# Altium PCB DM1098FFC.PcbDoc (part 2 of 3)
Units mm, origin at the board's own origin, x right, y up, seen from the top; angles counter-clockwise.
Board outline 60 x 40 mm, 4 copper layers (Top Copper, Signal Layer 1, Layer 1, Bottom Layer), stack 1.602 mm thick; 93 components, 104 nets, 471 pads, 369 vias.
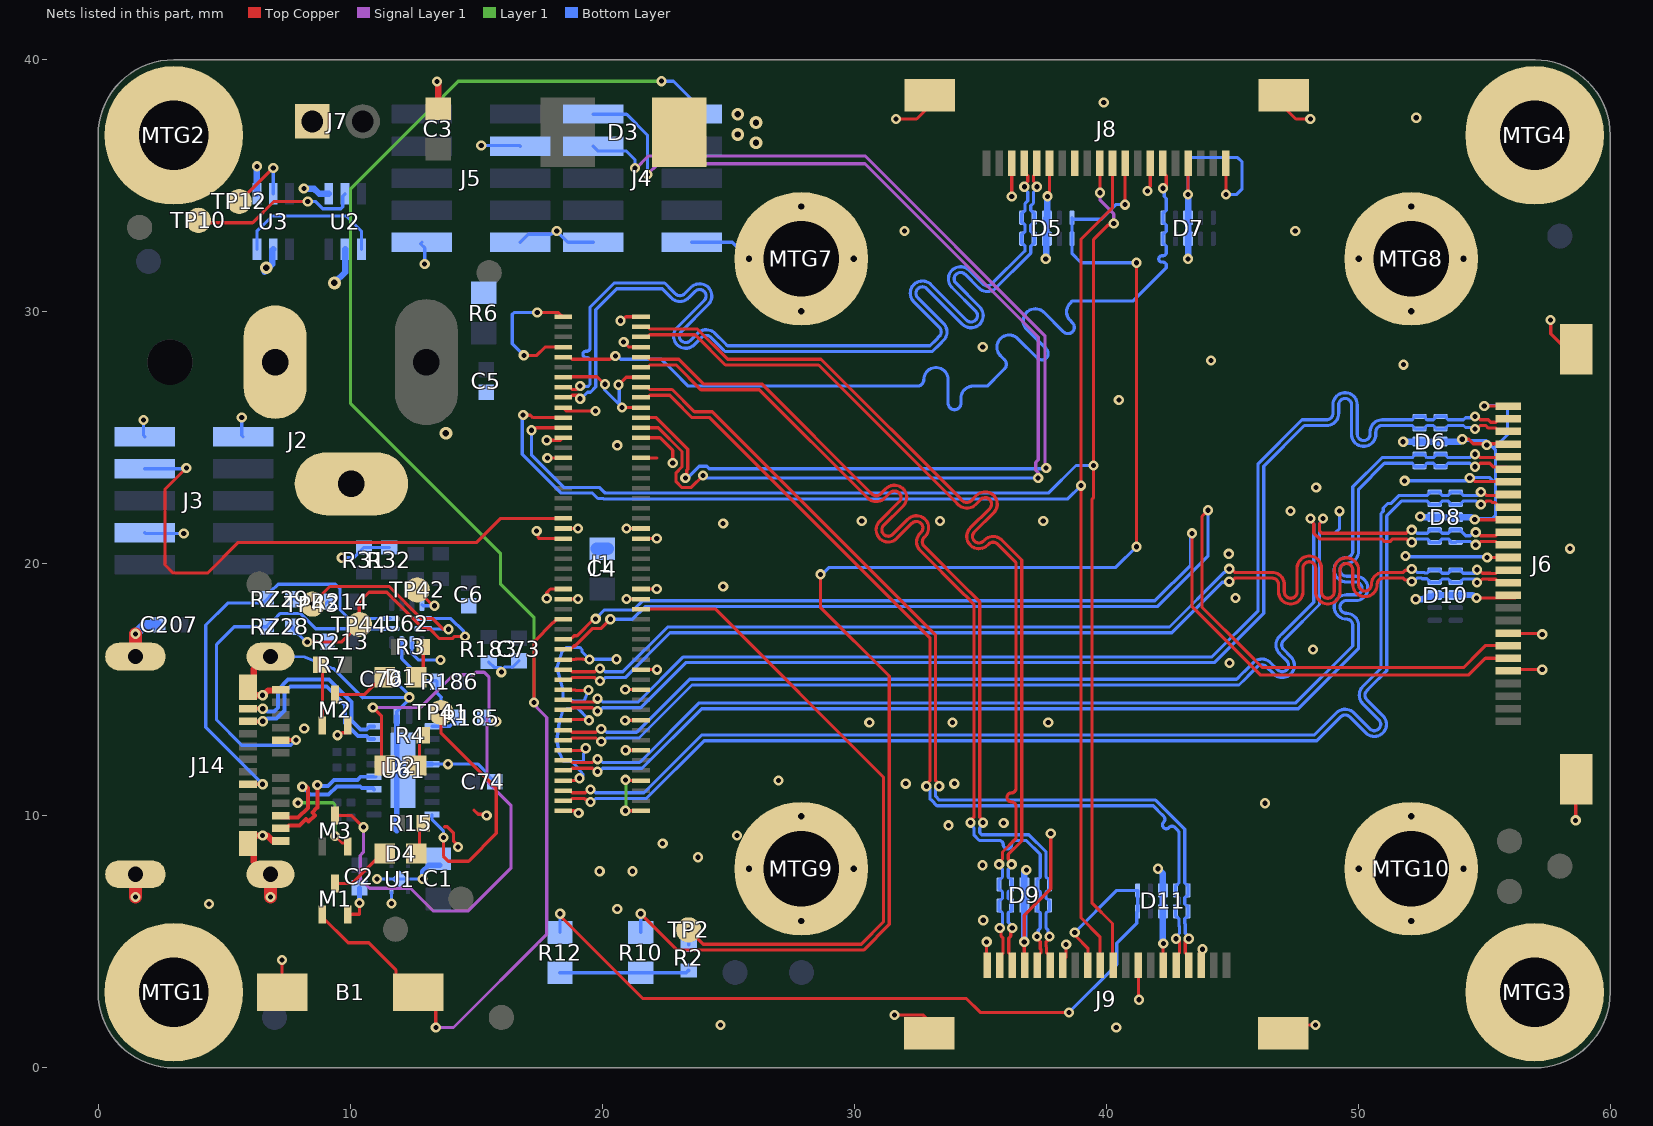
[diagram p4: the nets of this part, all layers, seen from the top]

## Via types
v1: diameter 0.406, hole 0.203, Top Copper to Bottom Layer, tented both sides, 332 vias
v2: diameter 0.508, hole 0.254, Top Copper to Bottom Layer, tented both sides, 21 vias
v3: diameter 0.508, hole 0.254, Top Copper to Bottom Layer, 16 vias

## Nets (pads, with @x,y where several pads share a name; then routed paths per layer and width w, separated by ;. In a path a pad name is that pad's centre, name@x,y a point inside that pad or via, vN(x,y) a via of type N, cw(c..) or ccw(c..) an arc to the next point about the centre after c; other vN are vias at no path point) (continued)
CAM_L_D0_P: D7.1 D7.10 J1.91 J8.6 | length 39.6
  Top Copper w0.127: J1.91@18.46,28.2 18.72,28.2 18.806,28.114 20.314,28.114 20.448,28.248 v1(20.523,28.248) ; J8.6@42.25,35.891 42.25,35.541 42.386,35.405 42.386,35.106 42.386,35.003 42.283,34.9 v1(42.252,34.9)
  Bottom Layer w0.127: v1(20.523,28.248) 20.599,28.248 20.732,28.114 22.349,28.114 22.793,27.67 23.412,27.051 31.267,27.051 32.509,27.051 ccw(c32.509,27.305) 32.763,27.305 cw(c33.245,27.305) 33.728,27.305 33.728,26.367 ccw(c33.982,26.367) 34.236,26.367 34.236,26.568 cw(c34.718,26.568) 34.718,27.051 34.896,27.051 35.281,27.051 35.839,27.61 35.964,27.735 ; 35.965,27.735 ccw(c35.786,27.915) 35.964,28.096 35.806,28.254 cw(c36.147,28.595) 35.806,28.937 cw(c36.147,28.595) 36.451,28.97 36.455,28.97 36.488,28.937 ; 36.489,28.936 37.259,28.166 ccw(c37.439,28.345) 37.618,28.525 ; 37.53,29.978 38.301,29.207 ccw(c38.481,29.386) 38.66,29.567 ; 37.53,29.979 37.496,30.012 37.493,30.012 ccw(c37.189,29.637) 36.848,29.295 37.618,28.525 ; 38.66,29.567 38.57,29.657 cw(c38.911,29.999) 38.57,30.34 38.659,30.429 39.776,30.429 41.072,30.429 42.386,31.743 42.386,31.779 42.386,31.842 ccw(c42.259,31.842) 42.259,31.969 42.214,31.969 cw(c42.214,32.096) 42.214,32.223 42.259,32.223 ccw(c42.259,32.35) 42.386,32.35 42.386,32.603 42.311,32.678 42.286,32.678 42.25,32.714 D7.10@42.25,32.897 42.25,33.079 42.286,33.116 42.311,33.116 42.386,33.19 42.386,33.438 42.311,33.513 42.286,33.513 42.25,33.549 D7.1@42.25,33.732 42.25,33.914 42.286,33.951 42.311,33.951 42.386,34.025 42.386,34.493 42.306,34.573 42.306,34.846 v1(42.252,34.9)
CAM_L_D1_N: D5.2 D5.9 J1.83 J8.16 | length 39.6
  Top Copper w0.127: J1.83@18.46,26.6 18.72,26.6 18.806,26.686 v1@19.052,26.686 ; v1(37.248,34.961) 37.248,35.036 37.114,35.17 37.114,35.405 37.25,35.541 J8.16@37.25,35.891
  Bottom Layer w0.127: v1(19.126,26.546) 19.156,26.546 19.42,26.809 19.538,26.809 19.747,27.019 19.747,30.085 20.574,30.912 22.384,30.912 22.621,30.675 22.746,30.55 ; 22.747,30.549 ccw(c23.088,30.89) 23.43,30.55 23.688,30.808 cw(c23.868,30.629) 24.047,30.809 ; 24.047,30.448 22.974,29.375 ccw(c23.315,29.034) 23.657,28.693 23.95,28.986 cw(c24.13,28.807) 24.31,28.986 24.719,28.577 24.811,28.485 24.874,28.423 33.103,28.423 33.415,28.735 33.54,28.86 ; 24.047,30.449 ccw(c23.868,30.629) 24.047,30.809 ; 33.54,29.543 32.527,30.556 cw(c32.706,30.736) 32.526,30.915 32.527,30.916 cw(c32.706,30.736) 32.887,30.915 34.295,29.506 ccw(c34.637,29.847) 35.012,30.151 35.012,30.155 34.978,30.188 ; 33.541,28.861 ccw(c33.199,29.202) 33.574,29.506 33.574,29.509 33.541,29.542 ; 34.042,31.125 cw(c34.221,31.305) 34.4,31.485 34.941,30.944 ccw(c35.283,31.285) 35.624,30.944 36.88,32.2 ; 34.042,31.125 34.978,30.189 ; 36.881,32.2 37.006,32.326 37.009,32.329 37.009,32.603 37.084,32.678 37.109,32.678 37.145,32.714 D5.9@37.145,32.897 37.145,33.079 37.109,33.116 37.084,33.116 37.009,33.19 37.009,33.438 37.084,33.513 37.109,33.513 37.145,33.549 D5.2@37.145,33.732 37.145,33.914 37.109,33.951 37.084,33.951 37.009,34.025 37.009,34.205 37.114,34.31 37.114,34.752 37.248,34.885 v1(37.248,34.961)
CAM_L_D1_P: D5.1 D5.10 J1.85 J8.17 | length 39.6
  Top Copper w0.127: J1.85@18.46,27 18.72,27 18.806,26.914 18.987,26.914 v1(19.126,27.054) ; J8.17@36.75,35.891 36.75,35.541 36.886,35.405 36.886,35.17 36.752,35.036 v1(36.752,34.961)
  Bottom Layer w0.127: v1(19.126,27.054) 19.141,27.039 19.444,27.039 19.518,27.113 19.518,27.991 19.518,28.054 ccw(c19.391,28.054) 19.391,28.181 19.362,28.181 cw(c19.362,28.308) 19.362,28.435 19.391,28.435 ccw(c19.391,28.562) 19.518,28.562 19.518,29.058 19.518,30.18 20.479,31.14 22.479,31.14 22.783,30.837 22.908,30.711 ; 22.908,30.711 ccw(c23.088,30.89) 23.268,30.711 ; 23.268,30.711 23.526,30.969 cw(c23.868,30.629) 24.172,31.003 24.176,31.003 24.209,30.97 ; 23.495,28.854 cw(c23.315,29.034) 23.136,29.214 24.209,30.287 ccw(c23.868,30.629) 24.243,30.933 24.243,30.936 24.21,30.969 ; 23.495,28.855 23.788,29.148 cw(c24.13,28.807) 24.434,29.182 24.438,29.182 24.471,29.149 ; 24.472,29.148 24.88,28.739 24.968,28.651 24.977,28.651 33.008,28.651 33.253,28.896 33.378,29.021 ccw(c33.199,29.202) 33.378,29.382 32.365,30.394 cw(c32.706,30.736) 32.365,31.077 cw(c32.706,30.736) 33.01,31.111 33.014,31.111 33.047,31.078 ; 33.048,31.077 34.457,29.668 ccw(c34.637,29.847) 34.816,30.028 33.88,30.963 cw(c34.221,31.305) 34.563,31.646 35.102,31.106 ccw(c35.283,31.285) 35.463,31.106 36.718,32.361 36.781,32.424 36.781,32.551 36.781,32.603 36.706,32.678 36.682,32.678 36.645,32.714 D5.10@36.645,32.897 36.645,33.079 36.682,33.116 36.706,33.116 36.781,33.19 36.781,33.438 36.706,33.513 36.682,33.513 36.645,33.549 D5.1@36.645,33.732 36.645,33.914 36.682,33.951 36.706,33.951 36.781,34.025 36.781,34.3 36.886,34.405 36.886,34.752 36.752,34.885 v1(36.752,34.961)
CAM_R_C_N: D9.5 D9.6 J1.96 J9.2 | length 38.5
  Top Copper w0.127: J1.96@21.54,29 21.8,29 21.886,29.086 22.639,29.086 22.642,29.088 23.686,29.088 24.888,27.886 28.589,27.886 34.003,22.472 34.128,22.347 ; 34.129,22.346 ccw(c34.47,22.687) 34.812,22.346 35.015,22.55 cw(c35.195,22.371) 35.374,22.551 ; 35.376,22.55 cw(c35.195,22.371) 35.375,22.191 34.608,21.424 ccw(c34.948,21.082) 35.29,20.741 35.332,20.783 cw(c35.512,20.604) 35.692,20.783 ; 35.693,20.782 36.15,20.325 36.418,20.057 36.418,12.446 36.418,11.087 cw(c36.241,11.087) 36.241,10.909 ccw(c36.241,10.732) 36.241,10.554 cw(c36.241,10.376) 36.418,10.376 36.418,10.312 36.418,9.576 36.418,9.096 35.886,8.563 35.886,8.284 35.752,8.151 v1(35.752,8.075) ; J9.2@35.771,4.07 35.771,4.42 35.907,4.556 35.907,5.146 35.827,5.226 35.827,5.497 v1(35.774,5.55)
  Bottom Layer w0.127: v1(35.752,8.075) 35.752,8.014 35.886,7.88 35.886,7.567 35.811,7.493 35.787,7.493 35.75,7.456 D9.6@35.75,7.274 35.75,7.091 35.787,7.055 35.811,7.055 35.886,6.98 35.886,6.732 35.811,6.658 35.787,6.658 35.75,6.621 D9.5@35.75,6.439 35.75,6.256 35.787,6.22 35.811,6.22 35.886,6.145 35.886,5.871 35.888,5.869 35.888,5.739 35.774,5.626 v1(35.774,5.55)
CAM_R_C_P: D9.4 D9.7 J1.98 J9.3 | length 38.5
  Top Copper w0.127: J1.98@21.54,29.4 21.8,29.4 21.886,29.314 22.545,29.314 22.547,29.317 23.78,29.317 24.983,28.114 28.684,28.114 34.165,22.633 34.29,22.508 ccw(c34.47,22.687) 34.65,22.508 34.854,22.712 cw(c35.195,22.371) 35.5,22.745 35.503,22.745 35.536,22.712 ; 35.537,22.712 35.57,22.678 35.57,22.675 cw(c35.195,22.371) 35.536,22.029 34.769,21.262 ccw(c34.948,21.082) 35.128,20.903 35.17,20.945 cw(c35.512,20.604) 35.816,20.979 35.82,20.979 35.853,20.945 ; 35.854,20.945 36.311,20.487 36.647,20.151 36.647,9.001 36.114,8.469 36.114,8.284 36.248,8.151 v1(36.248,8.075) ; v1(36.269,5.55) 36.216,5.497 36.216,5.226 36.136,5.146 36.136,4.556 36.271,4.42 J9.3@36.271,4.07
  Bottom Layer w0.127: v1(36.248,8.075) 36.248,8.014 36.114,7.88 36.114,7.567 36.189,7.493 36.214,7.493 36.25,7.456 D9.7@36.25,7.274 36.25,7.091 36.214,7.055 36.189,7.055 36.114,6.98 36.114,6.732 36.189,6.658 36.214,6.658 36.25,6.621 D9.4@36.25,6.439 36.25,6.256 36.214,6.22 36.189,6.22 36.114,6.145 36.114,5.966 36.116,5.964 36.116,5.779 36.269,5.626 v1(36.269,5.55)
CAM_R_D0_N: D9.2 D9.9 J1.90 J9.5 | length 38.6
  Top Copper w0.127: J1.90@21.54,27.8 21.8,27.8 21.886,27.886 22.942,27.886 23.92,26.908 26.236,26.908 30.407,22.737 30.533,22.612 ; 30.534,22.611 ccw(c30.874,22.952) 31.216,22.611 31.419,22.815 cw(c31.6,22.636) 31.779,22.816 ; 31.779,22.455 31.012,21.689 ccw(c31.353,21.347) 31.694,21.006 32.292,21.604 cw(c32.472,21.425) 32.651,21.245 ; 31.779,22.456 ccw(c31.6,22.636) 31.78,22.815 ; 32.651,21.244 32.617,21.21 ccw(c32.958,20.869) 32.617,20.527 34.333,18.811 ; 34.333,18.811 34.459,18.685 34.75,18.394 34.75,9.938 34.617,9.805 v1(34.617,9.729) ; v1(37.252,5.212) 37.252,5.136 37.386,5.003 37.386,4.723 37.407,4.702 37.407,4.556 37.271,4.42 J9.5@37.271,4.07
  Bottom Layer w0.127: v1(34.617,9.729) 34.617,9.654 34.75,9.52 34.75,9.241 34.97,9.021 35.335,9.021 35.75,9.021 cw(c35.75,8.856) 35.916,8.856 ; 35.916,8.855 ccw(c36.081,8.855) 36.246,8.855 ; 36.246,8.856 cw(c36.411,8.856) 36.411,9.021 36.474,9.021 36.834,9.021 37.376,8.479 37.386,8.47 37.386,7.567 37.311,7.493 37.287,7.493 37.25,7.456 D9.9@37.25,7.274 37.25,7.091 37.287,7.055 37.311,7.055 37.386,6.98 37.386,6.732 37.311,6.658 37.287,6.658 37.25,6.621 D9.2@37.25,6.439 37.25,6.256 37.287,6.22 37.311,6.22 37.386,6.145 37.386,5.545 37.306,5.465 37.306,5.265 v1(37.252,5.212)
CAM_R_D0_P: D9.1 D9.10 J1.92 J9.6 | length 38.6
  Top Copper w0.127: J1.92@21.54,28.2 21.8,28.2 21.886,28.114 23.037,28.114 24.014,27.136 26.331,27.136 30.569,22.898 30.694,22.773 ccw(c30.874,22.952) 31.054,22.773 31.258,22.977 cw(c31.6,22.636) 31.904,23.01 31.907,23.01 31.941,22.977 ; 31.941,22.977 31.974,22.943 31.974,22.94 cw(c31.6,22.636) 31.941,22.294 31.174,21.527 ccw(c31.353,21.347) 31.533,21.168 32.13,21.766 cw(c32.472,21.425) 32.813,21.083 32.779,21.049 ccw(c32.958,20.869) 32.779,20.689 34.494,18.973 ; 34.495,18.972 34.62,18.847 34.979,18.489 34.979,9.938 35.112,9.805 v1(35.112,9.729) ; v1(37.748,5.212) 37.748,5.136 37.614,5.003 37.614,4.818 37.636,4.796 37.636,4.556 37.771,4.42 J9.6@37.771,4.07
  Bottom Layer w0.127: v1(35.112,9.729) 35.112,9.654 34.979,9.52 34.979,9.335 35.064,9.25 36.928,9.25 37.614,8.564 37.614,7.567 37.689,7.493 37.714,7.493 37.75,7.456 D9.10@37.75,7.274 37.75,7.091 37.714,7.055 37.689,7.055 37.614,6.98 37.614,6.732 37.689,6.658 37.714,6.658 37.75,6.621 D9.1@37.75,6.439 37.75,6.256 37.714,6.22 37.689,6.22 37.614,6.145 37.614,5.545 37.694,5.465 37.694,5.265 v1(37.748,5.212)
CAM_R_D1_N: D11.2 D11.9 J1.84 J9.16 | length 38.6
  Top Copper w0.127: J1.84@21.54,26.6 21.8,26.6 21.886,26.686 22.678,26.686 22.841,26.523 23.564,25.8 24.271,25.8 30.8,19.271 33.003,17.068 33.003,11.389 32.864,11.249 v1(32.864,11.175) ; v1(42.767,5.12) 42.833,5.12 42.907,5.046 42.907,4.556 42.771,4.42 J9.16@42.771,4.07
  Bottom Layer w0.127: v1(32.864,11.175) 32.929,11.175 33.003,11.101 33.003,10.677 33.07,10.61 33.284,10.396 41.865,10.396 42.026,10.235 42.071,10.19 42.287,9.974 cw(c42.179,9.867) 42.287,9.759 42.276,9.748 ccw(c42.384,9.64) 42.276,9.532 ccw(c42.384,9.64) 42.491,9.532 42.502,9.543 cw(c42.61,9.436) 42.718,9.543 42.841,9.42 42.886,9.376 42.886,7.335 42.811,7.26 42.787,7.26 42.75,7.224 D11.9@42.75,7.041 42.75,6.859 42.787,6.822 42.811,6.822 42.886,6.748 42.886,6.5 42.811,6.425 42.787,6.425 42.75,6.389 D11.2@42.75,6.206 42.75,6.024 42.787,5.987 42.811,5.987 42.886,5.913 42.886,5.639 42.907,5.617 42.907,5.334 42.767,5.195 v1(42.767,5.12)
CAM_R_D1_P: D11.1 D11.10 J1.86 J9.17 | length 38.6
  Top Copper w0.127: J1.86@21.54,27 21.8,27 21.886,26.914 22.773,26.914 23.659,26.029 24.366,26.029 30.808,19.587 33.232,17.162 33.232,11.389 33.372,11.249 v1(33.372,11.175) ; J9.17@43.271,4.07 43.271,4.42 43.136,4.556 43.136,5.046 43.21,5.12 v1(43.275,5.12)
  Bottom Layer w0.127: v1(33.372,11.175) 33.306,11.175 33.232,11.101 33.232,10.771 33.378,10.625 41.959,10.625 43.114,9.47 43.114,7.335 43.189,7.26 43.214,7.26 43.25,7.224 D11.10@43.25,7.041 43.25,6.859 43.214,6.822 43.189,6.822 43.114,6.748 43.114,6.5 43.189,6.425 43.214,6.425 43.25,6.389 D11.1@43.25,6.206 43.25,6.024 43.214,5.987 43.189,5.987 43.114,5.913 43.114,5.733 43.136,5.712 43.136,5.334 43.275,5.195 v1(43.275,5.12)
CC1: J14.A5 RZ28.2 U62.1 | length 14.9
  Top Copper w0.158: J14.A5@7.25,13 7.252,13.002 7.846,13.002 v1(7.849,13.005)
  Bottom Layer w0.127: v1(7.849,13.005) 7.644,12.8 5.7,12.8 4.7,13.8 4.7,16.8 5.4,17.5 RZ28.2@6.7,17.5 6.7,17.55 6.912,17.761 6.962,17.761 7.231,18.031 8.024,18.031 8.631,17.425 U62.1@11.6,17.425
CC2: J14.B5 RZ29.2 U62.2 | length 17
  Top Copper w0.152: J14.B5@5.95,11.25 5.951,11.251 6.527,11.251 v1(6.528,11.252)
  Bottom Layer w0.127: v1(6.528,11.252) 4.271,13.509 4.271,17.571 5.139,18.439 6.538,18.439 RZ29.2@6.7,18.6 6.858,18.758 6.858,18.908 7.14,19.19 9.41,19.19 9.6,19 9.6,18.167 9.942,17.825 U62.2@11.6,17.825
COM_AUX_IO2: J1.42 R2.1 TP2.1 | length 27
  Top Copper w0.127: J1.42@21.565,18.2 24.5,18.2 31.161,11.539 31.161,5.786 30.277,4.902 24.003,4.902 v1(23.432,5.474)
  Bottom Layer w0.127: R2.1@23.432,4.868 v1(23.432,5.474)
FSIN1: D5.5 D5.6 J8.9 R10.2 | length 60
  Top Copper w0.127: v1(21.533,6.115) 22.974,4.674 30.371,4.674 31.389,5.691 31.389,15.546 28.659,18.277 v1(28.659,19.58) ; v1(40.75,34.25) J8.9@40.75,35.75 ; 40.75,35.15 J8.9@40.75,35.75 ; J8.9@40.75,36.25 J8.9@40.75,35.75 ; v1(41.2,20.676) v1(41.2,31.945)
  Bottom Layer w0.127: R10.2@21.533,5.371 v1(21.533,6.115) ; v1(28.659,19.58) 28.735,19.58 29.013,19.858 40.383,19.858 v1(41.2,20.676) ; D5.5@38.645,33.732 D5.5@38.645,33.673 ; v1(40.75,34.25) 40.377,34.25 39.799,33.673 D5.5@38.645,33.673 ; v1(41.2,31.945) 39,31.945 38.645,32.3 D5.6@38.645,32.897 D5.5@38.645,33.673
FSIN2: D11.5 D11.6 J9.9 R12.2 | length 33.1
  Top Copper w0.127: v1(18.333,6.115) 18.386,6.062 18.386,5.974 21.61,2.75 34.45,2.75 35,2.2 v1(38.524,2.2) ; v1@38.803,5.212 39.271,4.744 J9.9@39.271,4.07
  Bottom Layer w0.127: R12.2@18.333,5.371 v1(18.333,6.115) ; v1(38.524,2.2) 40.421,4.098 40.421,4.948 41.213,5.74 41.213,6.17 D11.5@41.25,6.206 D11.6@41.25,7.041 40.42,7.041 v1(38.75,5.371)
GND: B1.1 C1.1 C2.1 C3.1 C4.1 C5.1 C6.1 C73.1 C74.1 C76.1 C207.1 D3.2 D5.3 D5.8 D6.3 D6.8 D7.3 D7.8 D8.3 D8.8 D9.3 D9.8 D10.3 D10.8 D11.3 D11.8 J1.1 J1.2 J1.7 J1.8 J1.13 J1.14 J1.19 J1.20 J1.25 J1.26 J1.30 J1.31 J1.43 J1.44 J1.45 J1.46 J1.55 J1.56 J1.57 J1.58 J1.71 J1.72 J1.75 J1.76 J1.81 J1.82 J1.87 J1.88 J1.93 J1.94 J1.99 J1.100 J2.2 J2.3 J3.3 J3.9 J3.10 J4.9 J4.10 J5.3 J5.9 J5.10 J6.5 J6.8 J6.11 J6.14 J6.17 J6.20 J6.23 J6.26 J6.MP1 J6.MP2 J7.P1 J8.1 J8.4 J8.7 J8.13 J8.15 J8.18 J8.MP1 J8.MP2 J9.1 J9.4 J9.7 J9.13 J9.15 J9.18 J9.MP1 J9.MP2 J14.A1 J14.A12 J14.B1 J14.B12 J14.SH1 J14.SH2 J14.SH3 J14.SH4 M1.2 M2.2 M3.2 MTG1.1 MTG2.1 MTG3.1 MTG4.1 MTG7.1 MTG8.1 MTG9.1 MTG10.1 R31.2 R32.2 R183.1 R185.2 U1.2 U1.5 U2.2 U2.4 U3.2 U3.4 U61.5 U61.11 U61.20 U61.21 U62.10 | length 192.2
  Top Copper w0.127: B1.1@7.3,3 v1(7.3,4.277) ; v1(9.4,9.2) 9.678,8.922 9.813,8.922 9.9,8.835 M3.2@9.9,8.79 ; v1(9.5,13.2) 9.576,13.2 9.674,13.299 9.882,13.299 9.913,13.33 9.913,13.517 M2.2@9.986,13.59 ; M1.2@10,6.09 10.37,6.09 v1(10.37,6.54) ; 13.752,9.563 13.858,9.563 14.097,9.324 14.097,9.013 14.275,8.835 v1(14.275,8.76) ; 14.91,10.236 14.91,10.229 15.078,10.061 15.364,10.061 v1(15.418,10.008) ; v1(16.891,28.27) 17.405,28.27 17.735,28.6 J1.93@18.435,28.6 ; v1(17.4,21.3) 17.453,21.246 17.453,21.046 17.5,21 J1.55@18.435,21 ; v1(17.424,29.972) 18.263,29.972 J1.99@18.435,29.8 ; v1(17.8,18.62) 17.8,18.856 17.944,19 J1.45@18.435,19 ; v1(17.8,24.9) 18.335,24.9 J1.75@18.435,25 ; v1(17.824,24.2) J1.71@18.435,24.2 ; J1.7@18.435,11.4 19.013,11.4 v1(19.102,11.489) ; J1.31@18.435,16.2 J1.31@18.46,16.2 18.925,16.2 18.947,16.222 19.253,16.222 19.275,16.2 v1(19.502,16.2) ; J1.43@18.435,18.6 J1.43@18.46,18.6 v1(19.038,18.6) ; J1.57@18.435,21.4 J1.57@18.46,21.4 v1(19.038,21.4) ; J1.25@18.449,14.986 18.939,14.986 18.947,14.978 19.442,14.978 v1(19.453,14.989) ; J1.81@18.451,26.184 18.575,26.06 v1(19.736,26.06) ; J1.87@18.451,27.416 18.457,27.422 19.796,27.422 20.094,27.124 v1(20.115,27.124) ; J1.1@18.46,10.2 18.985,10.2 v1(19.068,10.116) ; J1.13@18.46,12.6 18.7,12.6 18.71,12.59 19.257,12.59 v1(19.348,12.682) ; J1.19@18.46,13.825 19.44,13.825 v1(19.478,13.787) ; v1(20.652,27.103) 20.948,27.4 J1.88@21.54,27.4 ; v1(20.726,29.642) 20.782,29.642 20.94,29.8 J1.100@21.54,29.8 J1.100@21.565,29.8 ; v1(20.79,26.2) J1.82@21.54,26.2 J1.82@21.565,26.2 ; v1(20.853,28.804) 21.057,28.6 J1.94@21.54,28.6 ; v1(20.912,13.784) 20.92,13.792 21.532,13.792 J1.20@21.54,13.8 ; v1(20.919,10.2) J1.2@21.54,10.2 J1.2@21.565,10.2 ; v1(20.918,15.016) 20.926,15.008 21.532,15.008 J1.26@21.54,15 ; v1(20.922,11.428) 20.95,11.4 J1.8@21.54,11.4 ; v1(20.931,12.6) J1.14@21.54,12.6 J1.14@21.565,12.6 ; v1(20.962,18.6) J1.44@21.54,18.6 J1.44@21.565,18.6 ; v1(20.962,21.4) J1.58@21.54,21.4 J1.58@21.565,21.4 ; J1.30@21.565,15.8 v1(22.173,15.8) ; J1.46@21.565,19 v1(22.168,19) ; J1.56@21.565,21 v1(22.168,21) ; J1.72@21.565,24.2 22.176,24.2 ; J1.76@21.565,25 22.3,25 22.8,24.5 v1(22.8,24) ; v1(31.6,2.1) 32.725,2.1 J9.MP1@32.975,1.85 ; v1(31.656,37.65) 32.475,37.65 J8.MP2@32.975,38.15 ; v1(33.974,11.275) v1@33.98,11.28 ; J9.1@35.25,3.75 35.25,4.25 35.253,4.253 35.253,4.997 v1(35.255,5) ; v1(36.25,34.574) J8.18@36.25,35.75 ; 36.25,35.15 J8.18@36.25,35.75 ; J8.18@36.25,36.25 J8.18@36.25,35.75 ; J9.4@36.75,3.75 v1(36.75,5) 36.75,6.05 37.8,7.1 v1(37.8,9.3) ; v1@37.75,34.6 J8.15@37.75,35.75 ; 37.75,35.15 J8.15@37.75,35.75 ; J8.15@37.75,36.25 J8.15@37.75,35.75 ; J9.7@38.25,3.75 38.25,4.25 38.41,4.41 v1(38.41,4.894) ; J9.13@41.25,3.75 41.275,3.725 41.275,2.725 v1(41.3,2.7) ; v1(41.639,34.796) 41.639,34.871 41.75,34.983 J8.7@41.75,35.891 J8.7@41.75,36.25 ; 41.75,35.15 J8.7@41.75,35.75 ; J9.15@42.25,3.75 42.25,4.915 v1(42.268,4.933) ; v1(43.25,34.652) J8.4@43.25,35.75 ; 43.25,35.15 J8.4@43.25,35.75 ; J8.4@43.25,36.25 J8.4@43.25,35.75 ; J9.18@43.75,3.75 43.727,3.773 43.727,4.706 v1(43.82,4.706) ; v1(44.75,34.65) J8.1@44.75,35.75 ; 44.75,35.15 J8.1@44.75,35.75 ; J8.1@44.75,36.25 J8.1@44.75,35.75 ; J9.MP2@47.025,1.85 47.175,1.7 v1(48.3,1.7) ; J8.MP1@47.025,38.15 47.525,37.65 v1(48.1,37.65) ; v1(54.127,24.942) 54.382,24.942 54.482,24.841 54.564,24.759 55.728,24.759 J6.23@56.328,24.759 ; v1(54.425,23.404) 54.502,23.404 54.646,23.259 J6.20@56.328,23.259 ; v1(54.622,21.752) 54.624,21.75 J6.17@55.95,21.75 ; v1(54.692,18.64) 56.209,18.64 J6.11@56.328,18.759 ; v1(55,26.259) 55.728,26.259 J6.26@56.328,26.259 ; v1(55.114,20.252) 55.721,20.252 55.728,20.259 J6.14@56.328,20.259 ; J6.5@56.328,15.759 56.369,15.8 v1(57.3,15.8) ; J6.8@56.328,17.259 56.358,17.23 57.27,17.23 v1(57.3,17.2) ; v1(57.628,29.672) 57.642,29.658 57.642,29.121 J6.MP2@58.228,28.534 ; J6.MP1@58.228,11.484 58.2,11.456 58.628,11.029 v1(58.628,9.82)
  Top Copper w0.25: J14.SH4@6.84,7.68 6.67,7.68 6.175,8.175 6.175,8.675 5.95,8.9 6.27,9.22 v1(6.528,9.22) 6.709,9.22 6.93,9 J14.A12@7.25,9 ; J14.SH1@6.84,16.32 6.67,16.32 6.175,15.825 6.175,15.621 6.175,15.325 J14.B12@5.95,15.1 5.95,15.008 6.175,14.783 v1(6.528,14.783) 6.56,14.783 6.752,14.975 7.225,14.975 J14.A1@7.25,15
  Top Copper w0.254: J7.P1@7.97,37.02 J7.P1@8.5,37.55 ; v1(13.446,39.139) 13.446,39.098 13.5,39.043 C3.1@13.5,38.05
  Top Copper w0.508: v1(1.48,6.78) J14.SH3@1.48,7.68 ; J14.SH2@1.48,16.32 v1(1.48,17.22) ; v1(6.84,6.78) J14.SH4@6.84,7.68
  Layer 1 w0.127: v1(7.925,10.516) 9.326,10.516 9.4,10.441 v1(9.4,9.2) ; v1(20.919,10.2) 20.95,10.232 20.95,11.4 v1(20.922,11.428)
  Bottom Layer w0.127: v1(1.8,25.7) 1.8,25.09 J3.9@1.85,25.04 ; J3.3@1.85,21.23 1.88,21.2 v1(3.4,21.2) ; v1(5.7,25.8) 5.7,25.09 J3.10@5.75,25.04 ; J14.SH1@6.84,16.32 8.2,16.3 9.347,15.833 10.493,14.687 v1(12.345,14.7) ; v1(9.672,20.241) 10.142,20.241 R31.2@10.55,20.65 R32.2@11.55,20.65 ; v1(11.07,7.49) U1.5@11.97,7.49 v1(12.87,7.49) 12.87,7.618 v1@12.871,7.619 ; v1(11.64,6.521) U1.2@11.64,6.98 ; C76.1@11.7,15.425 12.345,14.781 v1(12.345,14.7) ; U61.21@11.85,11.55 U61.21@12.35,12.05 ; U61.20@11.85,13.95 11.85,14.125 12.345,14.62 v1(12.345,14.7) ; U62.10@12.45,16.875 12.45,16.455 12.725,16.18 v1(13.589,16.18) ; J5.10@12.85,32.76 12.79,32.7 12.957,32.533 v1(12.957,31.9) ; U61.5@13.25,12.05 v1(13.883,12.05) 15.078,12.05 15.487,11.641 15.487,11.6 C74.1@15.734,11.354 ; v1(15.2,36.6) 16.72,36.6 J5.3@16.75,36.57 ; R185.2@15.3,13.9 15.459,13.741 v1(15.799,13.741) ; R183.1@15.5,16.1 15.712,15.889 15.962,15.889 16,15.85 v1@16,15.774 ; v1(16,15.7) v1@16,15.774 ; C73.1@16.7,16.15 16.454,15.904 16.129,15.904 v1@16,15.774 ; J5.9@16.75,32.76 17.067,33.077 17.973,33.077 18.097,33.2 v1(18.2,33.2) 18.64,32.76 J4.10@19.65,32.76 ; v1(16.891,28.27) 16.434,28.727 16.434,29.898 16.508,29.972 v1(17.424,29.972) ; v1(19.102,11.489) 19.222,11.489 19.229,11.637 19.229,11.659 18.812,12.166 ; v1(19.348,12.682) 19.295,12.628 19.295,12.5 19.262,12.467 19.262,12.162 19.246,12.146 19.129,12.152 18.812,12.166 ; v1(19.453,14.989) 19.456,14.986 19.272,14.545 18.452,14.583 18.442,14.993 18.2,15.9 18.4,16.5 18.572,16.672 19.126,16.672 19.2,16.598 19.2,16.502 v1(19.502,16.2) 19.518,16.216 20.566,16.216 v1(20.569,16.213) ; v1(19.478,13.787) 19.49,13.799 19,14.3 18.452,14.217 18.3,13.7 18.2,13 18.3,12.5 18.452,12.183 18.812,12.166 ; v1(20.115,27.124) 20.091,27.1 20.091,26.898 v1(20.79,26.2) 20.79,26.276 20.676,26.39 20.676,27.079 v1(20.652,27.103) ; J4.9@23.55,32.76 25.165,32.76 v3(25.825,32.1) ; v1(43.25,34.652) 43.25,36.011 43.358,36.119 45.212,36.119 45.39,35.941 45.39,34.874 45.166,34.65 v1(44.75,34.65) ; 49.11,21.245 49.255,21.389 v1(49.255,22.089) ; v1(51.841,23.292) 54.313,23.292 v1(54.425,23.404) ; v1(51.873,20.31) 51.903,20.281 55.086,20.281 v1(55.114,20.252) ; v1(54.127,24.942) 54.175,24.893 55.066,24.893 55.38,24.58 ; v1@54.432,23.419 55.22,23.419 55.38,23.259 ; v1@54.66,21.791 55.322,21.791 55.45,21.918 55.45,24.509 55.38,24.58 ; v1(55,26.259) 55,26.279 55.846,26.279 55.921,26.205 55.921,25.121 55.38,24.58
  Bottom Layer w0.203: v1(10.37,6.54) C2.1@10.37,7.14 ; U61.11@11.85,9.4 U61.11@11.85,9.65 11.85,11.55 U61.20@11.85,13.95 ; U61.21@12.35,12.05 U61.5@13.25,12.05 ; v1@12.871,7.619 12.871,7.791 13.12,8.04 C1.1@13.57,8.04
  Bottom Layer w0.254: U3.4@6.3,34.68 6.285,34.695 6.3,34.71 v1(6.3,35.769) ; v2@6.603,31.584 6.902,31.883 6.902,32.432 U3.2@6.95,32.48 ; v2@6.67,31.651 v2(6.67,31.747) ; J2.3@7.025,28 J2.3@7.1,27.925 ; v1(8.163,34.887) 8.569,34.887 8.776,34.68 U2.4@9.15,34.68 ; v2(9.375,31.145) 9.8,31.571 U2.2@9.8,32.48 ; v1(36.75,5) D9.3@36.75,6.439 D9.8@36.75,7.274 36.75,7.775 v1(36.83,7.854) ; v1(37.6,32.1) 37.623,32.123 37.623,33.709 D5.3@37.645,33.732 37.657,33.744 37.657,34.568 v1(37.669,34.58) ; v1(42.05,7.9) 42.25,7.7 D11.8@42.25,7.041 D11.3@42.25,6.206 42.25,4.95 v1(42.268,4.933) ; v1(43.25,32.1) D7.8@43.25,32.897 D7.3@43.25,33.732 v1(43.25,34.652) ; v1(51.783,24.841) 53.258,24.841 D6.3@53.268,24.85 53.272,24.846 54.031,24.846 v1(54.127,24.942) ; v1(52.283,18.592) 52.287,18.596 52.597,18.596 52.688,18.686 52.96,18.686 D10.8@53.032,18.759 D10.3@53.867,18.759 54.531,18.759 54.651,18.64 v1(54.692,18.64) ; v1(52.46,21.88) 52.489,21.85 D8.8@53.032,21.85 D8.3@53.867,21.85 54.483,21.85 54.552,21.781 54.651,21.781 v1@54.66,21.791
  Bottom Layer w0.381: v1(1.48,17.22) 1.837,17.577 C207.1@2.369,17.577
  Bottom Layer w0.508: C4.1@19.788,20.6 C4.1@20,20.6 C4.1@20.212,20.6
  other v1: 40.4,1.6 24.7,1.7 35.121,5.854 20.6,6.3 4.4,6.5 19.9,7.8 21.2,7.8 35.087,8.04 23.806,8.358 22.4,8.9 25.351,9.22 33.737,9.622 35.931,9.717 46.3,10.5 32.044,11.275 27,11.4 8.181,13.464 30.6,13.7 33.9,13.7 37.7,13.7 44.888,16.066 48.201,16.6 45.128,18.64 24.8,19.1 44.863,20.395 58.4,20.6 24.8,21.6 30.3,21.7 33.4,21.7 37.5,21.7 47.307,22.091 48.329,23.032 20.6,24.7 55.099,24.715 40.5,26.5 51.8,27.9 44.161,28.071 35.1,28.6 32,33.2 47.5,33.2 52.3,37.7 39.9,38.3
  other v2: 13.8,25.178 26.103,36.706 25.383,37.035 26.103,37.507 25.383,37.835
  other v3: 27.9,5.825 52.1,5.825 25.825,7.9 29.975,7.9 50.025,7.9 54.175,7.9 27.9,9.975 52.1,9.975 27.9,30.025 52.1,30.025 29.975,32.1 50.025,32.1 54.175,32.1 27.9,34.175 52.1,34.175
I2C1_SCL: J1.35 J6.6 | length 44.9
  Top Copper w0.127: J1.35@18.485,17 18.745,17 18.89,17.145 19.005,17.145 19.676,17.816 v1(19.741,17.816) ; v1(43.409,21.209) 43.409,18.291 46.11,15.59 54.385,15.59 55.045,16.25 J6.6@55.95,16.25 ; J6.6@55.674,16.205 55.728,16.259 J6.6@56.328,16.259
  Bottom Layer w0.127: v1(19.741,17.816) 20.093,18.168 21.245,18.168 21.608,18.532 40.747,18.532 41.932,18.532 43.346,19.946 43.346,21.071 43.409,21.133 v1(43.409,21.209)
I2C1_SDA: J1.33 J6.7 | length 46.7
  Top Copper w0.127: J1.33@18.745,16.6 18.89,16.745 18.928,16.745 19.62,17.437 19.962,17.437 v1(20.325,17.8) ; v1(44.044,22.123) 43.8,21.88 43.8,18.278 45.555,16.523 46.193,15.884 54.184,15.884 54.823,16.523 ; 55,16.7 54.823,16.523 ; J6.7@56.328,16.759 55.728,16.759 55.059,16.759 54.823,16.523
  Bottom Layer w0.127: v1(20.325,17.8) 21.2,17.8 21.703,18.303 40.958,18.303 42.026,18.303 44.044,20.32 v1(44.044,22.123)
I2C2_SCL: J1.77 J8.11 J9.11 | length 59.2
  Top Copper w0.127: v1(17.2,25.3) 17.276,25.3 17.376,25.4 J1.77@18.435,25.4 ; J8.11@39.75,36.25 39.75,35.75 v1(39.751,34.722) v1(39.751,34.722) ; J9.11@40.25,3.75 40.25,4.25 40.25,4.85 40.25,5.727 39.432,6.545 39.432,22.556 39.5,22.624 v1(39.5,23.9) 39.5,32.871 40.076,33.446 40.246,33.446 v1(40.3,33.5)
  Signal Layer 1 w0.127: v1(39.751,34.722) 39.758,34.715 39.758,34.426 40.3,33.884 v1(40.3,33.5)
  Bottom Layer w0.127: v1(17.2,25.3) 17.2,24.304 18.472,23.032 19.892,23.032 20.105,22.818 20.138,22.818 20.153,22.803 37.703,22.803 38.8,23.9 v1(39.5,23.9)
I2C2_SDA: J1.79 J8.10 J9.10 | length 59.6
  Top Copper w0.127: v1(16.866,25.908) 16.877,25.896 17.157,25.896 17.253,25.8 J1.79@18.435,25.8 ; J9.10@39.75,3.75 39.75,4.25 39.75,5.2 39,5.95 v1(39,23.1) 39,32.873 40.25,34.123 40.25,35.15 40.25,35.75 J8.10@40.25,36.25
  Bottom Layer w0.127: v1(16.866,25.908) 16.832,25.874 16.832,24.349 18.377,22.803 19.618,22.803 19.832,22.589 20.043,22.589 20.058,22.574 38.475,22.574 v1(39,23.1)
I2C3_SCL: J1.78 J4.2 | length 46.2
  Top Copper w0.127: J1.78@21.565,25.4 22.223,25.4 23.168,24.455 23.168,23.847 22.932,23.611 22.932,23.247 23.147,23.032 23.532,23.032 v1(24,23.5)
  Signal Layer 1 w0.127: v1(21.8,35.45) 22.22,35.87 30.43,35.87 37.3,29 37.3,24.121 37.2,24.021 37.2,23.716 37.3,23.616 v1(37.3,23.4)
  Bottom Layer w0.127: J4.2@19.65,37.84 20.97,37.84 21.8,37.01 v1(21.8,35.45) ; v1(24,23.5) 24.1,23.4 v1(37.3,23.4)
I2C3_SDA: J1.80 J4.4 | length 45
  Top Copper w0.127: J1.80@21.565,25.8 22.147,25.8 23.397,24.55 23.397,23.753 23.353,23.709 23.353,23.453 v1(23.3,23.4)
  Signal Layer 1 w0.127: v1(21.3,35.7) 21.345,35.7 21.819,36.175 30.449,36.175 37.568,29.055 37.568,23.853 v1(37.616,23.805)
  Bottom Layer w0.127: J4.4@19.65,36.57 19.846,36.374 20.966,36.374 21.3,36.04 v1(21.3,35.7) ; v1(23.3,23.4) 23.379,23.4 23.847,23.868 24.153,23.868 24.253,23.768 37.579,23.768 v1(37.616,23.805)
MIPI_C_N: D8.2 D8.9 J1.3 J6.18 | length 49.3
  Top Copper w0.127: J1.3@18.46,10.6 18.72,10.6 18.806,10.686 19.304,10.686 19.329,10.66 19.363,10.66 19.471,10.552 v1(19.533,10.552) ; v1(54.864,22.352) 54.94,22.352 55.073,22.486 55.258,22.486 55.308,22.435 55.415,22.435 55.6,22.25 J6.18@55.95,22.25
  Bottom Layer w0.127: v1(19.533,10.552) 19.608,10.552 19.742,10.686 21.753,10.686 24.047,12.979 48.13,12.979 48.355,12.979 49.3,13.925 cw(c49.48,13.746) 49.661,13.925 ; 49.661,13.924 50.295,13.29 ccw(c50.637,13.631) 50.978,13.29 ccw(c50.637,13.631) 50.978,13.973 50.343,14.607 cw(c50.522,14.788) 50.342,14.967 ; 50.343,14.968 50.468,15.093 51.13,15.755 51.13,21.902 51.714,22.486 52.739,22.486 52.813,22.411 52.813,22.387 52.85,22.35 D8.9@53.032,22.35 53.215,22.35 53.252,22.387 53.252,22.411 53.326,22.486 53.574,22.486 53.648,22.411 53.648,22.387 53.685,22.35 D8.2@53.867,22.35 54.05,22.35 54.087,22.387 54.087,22.411 54.161,22.486 54.686,22.486 54.725,22.447 54.776,22.447 54.864,22.36 v1(54.864,22.352)
MIPI_C_P: D8.1 D8.10 J1.5 J6.19 | length 49.3
  Top Copper w0.127: J1.5@18.46,11 18.72,11 18.806,10.914 19.338,10.914 19.471,11.048 v1(19.533,11.048) ; v1(54.864,22.848) 54.94,22.848 55.073,22.714 55.914,22.714 J6.19@55.95,22.75
  Bottom Layer w0.127: v1(19.533,11.048) 19.608,11.048 19.742,10.914 21.659,10.914 23.952,13.208 47.901,13.208 48.26,13.208 49.139,14.087 cw(c49.48,13.746) 49.785,14.121 49.788,14.121 49.821,14.088 ; 49.822,14.087 50.457,13.452 ; 50.457,13.452 ccw(c50.637,13.631) 50.816,13.451 ccw(c50.637,13.631) 50.816,13.811 50.181,14.446 cw(c50.522,14.788) 50.181,15.129 50.307,15.255 50.902,15.85 50.902,21.996 50.947,22.041 50.991,22.086 50.991,22.191 50.988,22.194 50.988,22.214 51.166,22.392 51.186,22.392 51.189,22.389 51.294,22.389 51.62,22.714 52.739,22.714 52.813,22.789 52.813,22.814 52.85,22.85 D8.10@53.032,22.85 53.215,22.85 53.252,22.814 53.252,22.789 53.326,22.714 53.574,22.714 53.648,22.789 53.648,22.814 53.685,22.85 D8.1@53.867,22.85 54.05,22.85 54.087,22.814 54.087,22.789 54.161,22.714 54.738,22.714 54.864,22.84 v1(54.864,22.848)
MIPI_D0_N: D6.5 D6.6 J1.9 J6.21 | length 49.3
  Top Copper w0.127: J1.9@18.46,11.8 18.72,11.8 18.806,11.886 19.609,11.886 19.634,11.86 19.643,11.86 19.751,11.752 v1(19.812,11.752) ; v1(54.635,23.852) 54.711,23.852 54.844,23.986 55.22,23.986 55.369,23.837 55.864,23.837 J6.21@55.95,23.75
  Bottom Layer w0.127: v1(19.812,11.752) 19.888,11.752 20.021,11.886 21.582,11.886 23.945,14.249 47.618,14.249 50.013,16.644 50.013,17.374 50.013,17.551 ccw(c49.53,17.551) 49.53,18.034 cw(c49.53,18.288) 49.53,18.542 49.898,18.542 ccw(c49.898,19.025) 49.898,19.507 49.53,19.507 cw(c49.53,19.761) 49.53,20.015 ccw(c49.53,20.498) 50.013,20.498 50.013,21.488 50.013,22.962 51.037,23.986 52.139,23.986 52.213,23.911 52.213,23.887 52.25,23.85 D6.6@52.433,23.85 52.615,23.85 52.652,23.887 52.652,23.911 52.726,23.986 52.974,23.986 53.048,23.911 53.048,23.887 53.085,23.85 D6.5@53.268,23.85 53.45,23.85 53.487,23.887 53.487,23.911 53.561,23.986 54.426,23.986 54.56,23.852 v1(54.635,23.852)
MIPI_D0_P: D6.4 D6.7 J1.11 J6.22 | length 49.2
  Top Copper w0.127: J1.11@18.46,12.2 18.72,12.2 18.806,12.114 19.617,12.114 19.751,12.248 v1(19.812,12.248) ; v1(54.635,24.348) 54.711,24.348 54.844,24.214 55.914,24.214 J6.22@55.95,24.25
  Bottom Layer w0.127: v1(19.812,12.248) 19.888,12.248 20.021,12.114 21.487,12.114 23.851,14.478 47.523,14.478 49.784,16.739 49.784,17.374 49.784,17.551 ccw(c49.53,17.551) 49.53,17.805 cw(c49.53,18.288) 49.53,18.771 49.898,18.771 ccw(c49.898,19.025) 49.898,19.279 49.53,19.279 cw(c49.53,19.761) 49.53,20.244 ccw(c49.53,20.498) 49.784,20.498 49.784,21.488 49.784,23.056 50.942,24.214 52.139,24.214 52.213,24.289 52.213,24.314 52.25,24.35 D6.7@52.433,24.35 52.615,24.35 52.652,24.314 52.652,24.289 52.726,24.214 52.974,24.214 53.048,24.289 53.048,24.314 53.085,24.35 D6.4@53.268,24.35 53.45,24.35 53.487,24.314 53.487,24.289 53.561,24.214 54.426,24.214 54.56,24.348 v1(54.635,24.348)
MIPI_D1_N: D8.4 D8.7 J1.15 J6.16 | length 46.1
  Top Copper w0.127: J1.15@18.46,13 18.72,13 18.806,13.086 19.755,13.086 19.889,12.952 v1(19.964,12.952) ; v1(48.597,21.793) 48.597,21.732 48.463,21.598 48.463,21.311 48.56,21.214 51.912,21.214 52.045,21.348 v1(52.121,21.348) ; v1(54.661,21.248) 54.722,21.248 54.83,21.14 54.839,21.14 54.864,21.114 55.259,21.114 55.464,21.114 55.6,21.25 J6.16@55.95,21.25
  Bottom Layer w0.127: v1(19.964,12.952) 20.04,12.952 20.173,13.086 21.461,13.086 23.564,15.189 45.27,15.189 45.546,15.465 45.671,15.591 ; 45.672,15.591 45.996,15.915 cw(c46.176,15.736) 46.357,15.915 46.641,15.63 ccw(c46.983,15.971) 47.324,15.63 ccw(c46.983,15.971) 47.324,16.313 47.039,16.598 cw(c47.218,16.778) 47.038,16.957 47.164,17.083 48.463,18.383 48.463,21.584 48.597,21.718 v1(48.597,21.793) ; v1(52.121,21.348) 52.196,21.348 52.33,21.214 52.559,21.214 52.739,21.214 52.813,21.289 52.813,21.314 52.85,21.35 D8.7@53.032,21.35 53.215,21.35 53.252,21.314 53.252,21.289 53.326,21.214 53.574,21.214 53.648,21.289 53.648,21.314 53.685,21.35 D8.4@53.867,21.35 54.05,21.35 54.087,21.314 54.087,21.289 54.261,21.114 54.452,21.114 54.585,21.248 v1(54.661,21.248)
MIPI_D1_P: D8.5 D8.6 J1.17 J6.15 | length 46.1
  Top Copper w0.127: J1.17@18.46,13.4 18.72,13.4 18.806,13.314 19.755,13.314 19.889,13.448 v1(19.964,13.448) ; v1(48.101,21.793) 48.101,21.732 48.235,21.598 48.235,21.216 48.465,20.986 50.114,20.986 50.943,20.986 51.018,20.911 51.018,20.899 51.032,20.885 51.283,20.885 51.297,20.899 51.297,20.911 51.371,20.986 51.435,20.986 51.912,20.986 52.045,20.852 v1(52.121,20.852) ; v1(54.661,20.752) 54.722,20.752 54.856,20.886 55.165,20.886 55.464,20.886 55.6,20.75 J6.15@55.95,20.75
  Bottom Layer w0.127: v1(19.964,13.448) 20.04,13.448 20.173,13.314 21.366,13.314 23.47,15.418 45.175,15.418 45.384,15.627 45.509,15.752 ; 45.51,15.753 45.835,16.077 cw(c46.176,15.736) 46.48,16.111 46.484,16.111 46.517,16.078 46.803,15.792 ccw(c46.983,15.971) 47.162,15.791 ; 47.163,15.792 ccw(c46.983,15.971) 47.163,16.151 46.877,16.437 cw(c47.218,16.778) 46.877,17.12 47.002,17.245 48.235,18.477 48.235,21.584 48.101,21.718 v1(48.101,21.793) ; v1(52.121,20.852) 52.196,20.852 52.33,20.986 52.465,20.986 52.739,20.986 52.813,20.911 52.813,20.886 52.85,20.85 D8.6@53.032,20.85 53.215,20.85 53.252,20.886 53.252,20.911 53.326,20.986 53.574,20.986 53.648,20.911 53.648,20.886 53.685,20.85 D8.5@53.867,20.85 53.903,20.886 54.452,20.886 54.585,20.752 v1(54.661,20.752)
MIPI_D2_N: D6.2 D6.9 J1.21 J6.24 | length 49.2
  Top Copper w0.127: J1.21@18.46,14.2 18.72,14.2 18.806,14.286 19.609,14.286 19.634,14.26 19.643,14.26 19.751,14.152 v1(19.812,14.152) v1@19.812,14.279 ; v1(54.635,25.352) 54.711,25.352 54.844,25.486 55.065,25.486 55.165,25.386 55.464,25.386 55.6,25.25 J6.24@55.95,25.25
  Bottom Layer w0.127: v1(19.812,14.152) 19.888,14.152 20.021,14.286 21.525,14.286 23.317,16.078 44.291,16.078 46.253,18.041 46.253,23.876 47.863,25.486 48.565,25.486 48.743,25.486 ccw(c48.743,25.968) 49.225,25.968 49.225,26.308 cw(c49.479,26.308) 49.733,26.308 49.733,25.142 ccw(c50.216,25.142) 50.698,25.142 50.698,25.232 cw(c50.952,25.232) 50.952,25.486 51.825,25.486 52.139,25.486 52.213,25.411 52.213,25.387 52.25,25.35 D6.9@52.433,25.35 52.615,25.35 52.652,25.387 52.652,25.411 52.726,25.486 52.974,25.486 53.048,25.411 53.048,25.387 53.085,25.35 D6.2@53.268,25.35 53.45,25.35 53.487,25.387 53.487,25.411 53.561,25.486 54.178,25.486 54.258,25.406 54.582,25.406 v1(54.635,25.352)
MIPI_D2_P: D6.1 D6.10 J1.23 J6.25 | length 49.3
  Top Copper w0.127: J1.23@18.46,14.6 18.72,14.6 18.806,14.514 19.617,14.514 19.751,14.648 v1@19.809,14.648 ; 19.649,14.511 19.672,14.511 v1@19.809,14.648 ; v1(19.812,14.648) v1@19.809,14.648 ; v1(54.635,25.848) 54.711,25.848 54.844,25.714 55.159,25.714 55.259,25.614 55.464,25.614 55.6,25.75 J6.25@55.95,25.75
  Bottom Layer w0.127: v1(19.812,14.648) 19.888,14.648 20.021,14.514 21.43,14.514 23.223,16.307 44.196,16.307 46.025,18.136 46.025,23.971 47.768,25.714 48.565,25.714 48.743,25.714 ccw(c48.743,25.968) 48.997,25.968 48.997,26.308 cw(c49.479,26.308) 49.962,26.308 49.962,25.142 ccw(c50.216,25.142) 50.47,25.142 50.47,25.232 cw(c50.952,25.232) 50.952,25.714 51.825,25.714 52.139,25.714 52.213,25.789 52.213,25.814 52.25,25.85 D6.10@52.433,25.85 52.615,25.85 52.652,25.814 52.652,25.789 52.726,25.714 52.974,25.714 53.048,25.789 53.048,25.814 53.085,25.85 D6.1@53.268,25.85 53.45,25.85 53.487,25.814 53.487,25.789 53.561,25.714 54.178,25.714 54.258,25.794 54.582,25.794 v1(54.635,25.848)
MIPI_D3_N: D10.2 D10.9 J1.27 J6.12 | length 46
  Top Copper w0.127: J1.27@18.46,15.4 18.72,15.4 18.806,15.486 19.705,15.486 19.838,15.352 v1(19.914,15.352) ; v1(44.882,19.291) 44.956,19.291 45.096,19.431 45.669,19.431 46.584,19.431 cw(c46.584,19.177) 46.838,19.177 46.838,18.888 ccw(c47.32,18.888) 47.803,18.888 47.803,19.826 cw(c48.057,19.826) 48.311,19.826 48.311,18.888 ccw(c48.793,18.888) 49.276,18.888 49.276,19.755 cw(c49.53,19.755) 49.784,19.755 49.784,19.177 ccw(c50.267,19.177) 50.749,19.177 cw(c51.003,19.177) 51.003,19.431 51.714,19.431 51.791,19.431 51.87,19.351 52.067,19.351 v1(52.121,19.298) ; v1(54.712,19.255) 54.786,19.255 54.926,19.395 55.155,19.395 55.165,19.386 55.464,19.386 55.6,19.25 J6.12@55.95,19.25
  Bottom Layer w0.127: v1(19.914,15.352) 19.989,15.352 20.123,15.486 20.914,15.486 22.691,17.263 42.605,17.263 44.606,19.264 44.855,19.264 v1(44.882,19.291) ; v1(52.121,19.298) 52.196,19.298 52.33,19.431 52.514,19.431 52.539,19.406 52.728,19.406 52.813,19.321 52.813,19.296 52.85,19.259 D10.9@53.032,19.259 53.215,19.259 53.252,19.296 53.252,19.321 53.326,19.395 53.574,19.395 53.648,19.321 53.648,19.296 53.685,19.259 D10.2@53.867,19.259 54.05,19.259 54.087,19.296 54.087,19.321 54.161,19.395 54.637,19.395 54.712,19.321 v1(54.712,19.255)
MIPI_D3_P: D10.1 D10.10 J1.29 J6.13 | length 46.1
  Top Copper w0.127: J1.29@18.46,15.8 18.72,15.8 18.806,15.714 19.705,15.714 19.838,15.848 v1(19.914,15.848) ; v1(44.882,19.799) 44.956,19.799 45.096,19.66 45.669,19.66 46.584,19.66 cw(c46.584,19.177) 47.066,19.177 47.066,18.888 ccw(c47.32,18.888) 47.574,18.888 47.574,19.826 cw(c48.057,19.826) 48.539,19.826 48.539,18.888 ccw(c48.793,18.888) 49.047,18.888 49.047,19.755 cw(c49.53,19.755) 50.013,19.755 50.013,19.177 ccw(c50.267,19.177) 50.521,19.177 cw(c51.003,19.177) 51.003,19.66 51.714,19.66 51.791,19.66 51.87,19.739 52.067,19.739 v1(52.121,19.793) ; v1(54.712,19.763) 54.786,19.763 54.926,19.624 55.25,19.624 55.259,19.614 55.464,19.614 55.6,19.75 J6.13@55.95,19.75
  Bottom Layer w0.127: v1(19.914,15.848) 19.989,15.848 20.123,15.714 20.82,15.714 22.597,17.491 42.51,17.491 44.679,19.66 44.705,19.66 44.845,19.799 v1(44.882,19.799) ; v1(52.121,19.793) 52.196,19.793 52.33,19.66 52.609,19.66 52.634,19.635 52.739,19.635 52.813,19.709 52.813,19.723 52.85,19.759 D10.10@53.032,19.759 53.215,19.759 53.252,19.723 53.252,19.698 53.326,19.624 53.574,19.624 53.648,19.698 53.648,19.723 53.685,19.759 D10.1@53.867,19.759 54.05,19.759 54.087,19.723 54.087,19.698 54.161,19.624 54.637,19.624 54.712,19.698 v1(54.712,19.763)
MODULE_nRST: B1.2 J1.39 J4.1 M1.1 | length 65.9
  Top Copper w0.127: M1.1@8.9,6.09 8.9,5.985 9.925,4.96 10.74,4.96 11.815,3.885 11.815,3.687 12.502,3 B1.2@12.7,3 12.714,3 13.4,2.313 v1(13.4,1.6) ; v1(17.3,14.5) 17.3,16.913 18.042,17.655 18.055,17.655 18.2,17.8 J1.39@18.46,17.8
  Signal Layer 1 w0.127: v1(13.4,1.6) 14.1,1.6 17.8,5.3 17.8,13.9 17.401,14.299 17.401,14.323 17.3,14.424 v1(17.3,14.5)
  Layer 1 w0.127: v1(17.3,14.5) 17.3,17.856 15.968,19.187 15.968,20.405 10.017,26.356 10.017,34.885 14.283,39.15 v1(22.35,39.15)
  Bottom Layer w0.127: v1(22.35,39.15) 22.831,39.15 23.645,38.336 23.645,37.935 J4.1@23.55,37.84
NetD1_1: D1.1 M2.3 | length 2
  Top Copper w0.127: M2.3@9.5,14.81 10.56,14.81 D1.1@11.25,15.5
NetD1_2: D1.2 R3.1 | length 1.3
  Top Copper w0.127: D1.2@12.75,15.5 12.9,15.65 R3.1@12.9,16.7
NetD2_1: D2.1 M3.3 | length 26.3
  Top Copper w0.127: M3.3@9.425,10.01 10.068,10.01 v1(10.527,9.55) ; v1(10.9,14.3) 11.25,13.95 D2.1@11.25,12
  Signal Layer 1 w0.127: v1(10.527,9.55) 10.527,8.553 10.4,8.426 10.4,7.5 10.684,7.216 10.684,7.214 10.776,7.122 12.396,7.122 13.289,6.229 14.692,6.229 16.379,7.915 16.379,10.421 15.43,11.369 15.43,13.894 15.515,13.979 15.515,15.493 15.315,15.693 14.995,15.693 14.901,15.6 14.1,15.6 12.8,14.3 v1(10.9,14.3)
NetD2_2: D2.2 R4.1 | length 1.3
  Top Copper w0.127: D2.2@12.75,12 12.75,13.05 R4.1@12.9,13.2
NetD4_1: D4.1 M1.3 | length 2.2
  Top Copper w0.127: M1.3@9.5,7.31 10.06,7.31 D4.1@11.25,8.5
NetD4_2: D4.2 R15.1 | length 1.3
  Top Copper w0.127: D4.2@12.75,8.5 12.75,9.55 R15.1@12.9,9.7
NetM2_1: M2.1 R7.1 | length 2.4
  Top Copper w0.127: M2.1@8.9,13.59 R7.1@8.9,16
NetR2_2: R2.2 R10.1 R12.1 | length 5.1
  Bottom Layer w0.152: R12.1@18.333,3.771 23.335,3.771 R2.2@23.432,3.868
NetR6_2: R6.2 U2.1 U3.3 | length 6.1
  Bottom Layer w0.127: U3.3@6.3,32.48 6.3,33.192 6.908,33.8 9.851,33.8 10.45,33.201 U2.1@10.45,32.48
NetR185_1: R185.1 U61.2 | length 1.2
  Bottom Layer w0.127: U61.2@13.25,13.55 13.95,13.55 14.038,13.638 14.088,13.638 14.3,13.85 R185.1@14.3,13.9
NetR186_1: R186.1 TP41.1 U61.9 U62.11 | length 13.9
  Top Copper w0.127: v1(13.6,14.1) 13.6,13.297 15.8,11.097 15.8,9.3 14.7,8.2 13.9,8.2 13.7,8.4 v1(13.7,9.142)
  Bottom Layer w0.127: U62.11@12.05,16.875 12.05,16.237 12.926,15.361 13.414,15.361 R186.1@13.45,15.325 13.45,14.87 13.614,14.706 13.6,14.691 v1(13.6,14.1) ; U61.9@13.25,10.05 13.25,9.85 13.7,9.4 v1(13.7,9.142)
NetR213_1: R213.1 RZ28.1 TP44.1 U62.7 | length 12.6
  Top Copper w0.127: v1(8.3,16.9) 9.675,16.9 TP44.1@10.365,17.591 10.365,18.486 10.747,18.868 11.457,18.868 12.906,17.419 13.16,17.419 13.547,17.032 14.053,17.032 14.14,17.12 v1(14.554,17.12)
  Bottom Layer w0.127: RZ28.1@7.7,17.5 7.7,17.45 8.25,16.9 R213.1@9.1,16.9 8.617,16.9 ; U62.7@12.9,17.825 13.996,17.825 14.501,17.32 14.501,17.173 v1(14.554,17.12)
NetR214_1: R214.1 RZ29.1 TP43.1 U62.8 | length 8.9
  Top Copper w0.127: v1(8.5,18.4) 9.197,19.097 11.551,19.097 12.823,17.825 13.275,17.825 13.7,17.4 v1(13.9,17.4)
  Bottom Layer w0.127: RZ29.1@7.7,18.6 8.286,18.6 8.486,18.4 v1(8.5,18.4) 9,18.4 R214.1@9.1,18.5 ; U62.8@12.9,17.425 12.913,17.412 13.888,17.412 v1(13.9,17.4)
NetTP10_1: TP10.1 U2.5 | length 6.8
  Top Copper w0.127: TP10.1@3.981,33.627 4.079,33.529 6.129,33.529 6.978,34.377 v1(8.317,34.377)
  Bottom Layer w0.127: v1(8.317,34.377) 8.619,34.377 8.907,34.09 9.635,34.09 9.705,34.16 9.705,34.585 U2.5@9.8,34.68
NetTP12_1: TP12.1 U3.5 | length 2.9
  Top Copper w0.127: TP12.1@5.6,34.377 5.614,34.377 6.936,35.7 v1(6.95,35.7)
  Bottom Layer w0.127: U3.5@6.95,34.68 v1(6.95,35.7)
NetTP42_1: TP42.1 U62.6 | length 1.5
  Top Copper w0.127: TP42.1@12.661,18.961 13.289,18.334 v1(13.35,18.334)
  Bottom Layer w0.127: U62.6@12.85,18.375 12.891,18.334 v1(13.35,18.334)
RXB_N: J14.B10 U61.18 | length 7.3
  Top Copper w0.158: J14.B10@5.95,13.75 v1(6.534,13.75)
  Bottom Layer w0.158: v1(6.534,13.75) 6.601,13.75 6.721,13.87 7.082,13.87 7.392,14.18 7.392,14.892 7.64,15.14 9.06,15.14 9.8,14.4 9.8,13.675 10.305,13.17 10.655,13.17 10.775,13.05 U61.18@10.95,13.05
RXB_P: J14.B11 U61.19 | length 7.3
  Top Copper w0.158: J14.B11@5.95,14.25 v1(6.534,14.25)
  Bottom Layer w0.158: v1(6.534,14.25) 6.601,14.25 6.721,14.13 6.974,14.13 7.132,14.288 7.132,15 7.533,15.4 9.167,15.4 10.06,14.508 10.06,13.783 10.413,13.43 10.655,13.43 10.775,13.55 U61.19@10.95,13.55
RXC_N: J14.A10 U61.14 | length 5.3
  Top Copper w0.158: J14.A10@7.25,10 7.319,9.931 7.933,9.931 8.321,10.319 8.321,11.109 v1@8.251,11.179
  Bottom Layer w0.158: v1(8.103,11.151) 8.11,11.151 8.418,10.843 9.147,10.843 9.474,11.17 10.389,11.17 10.463,11.096 10.904,11.096 U61.14@10.95,11.05
RXC_P: J14.A11 U61.15 | length 5.5
  Top Copper w0.158: J14.A11@7.25,9.5 7.45,9.5 7.569,9.619 7.878,9.619 7.989,9.619 ; 7.989,9.62 8.245,9.875 8.355,9.765 8.61,10.021 8.5,10.131 8.672,10.302 8.699,10.329 v1(8.699,11.227)
  Bottom Layer w0.158: v1(8.699,11.227) 8.746,11.179 9.116,11.179 9.367,11.43 10.287,11.43 10.407,11.55 U61.15@10.95,11.55 U61.15@11.012,11.55
SD_HST0_CD: J1.59 J3.7 | length 22.7
  Top Copper w0.127: v1(3.5,23.8) 2.655,22.955 2.655,19.96 2.983,19.632 4.339,19.632 5.558,20.85 15.023,20.85 15.972,21.8 J1.59@18.46,21.8
  Bottom Layer w0.127: J3.7@1.85,23.77 3.47,23.77 v1(3.5,23.8)